# Altium PCB Driver.PcbDoc
Units mm, origin at the board's own origin, x right, y up, seen from the top; angles counter-clockwise.
Board outline 43 x 32 mm, 4 copper layers (Top Layer, GND, POWER, Bottom Layer), stack 0.603 mm thick; 93 components, 58 nets, 284 pads, 158 vias.
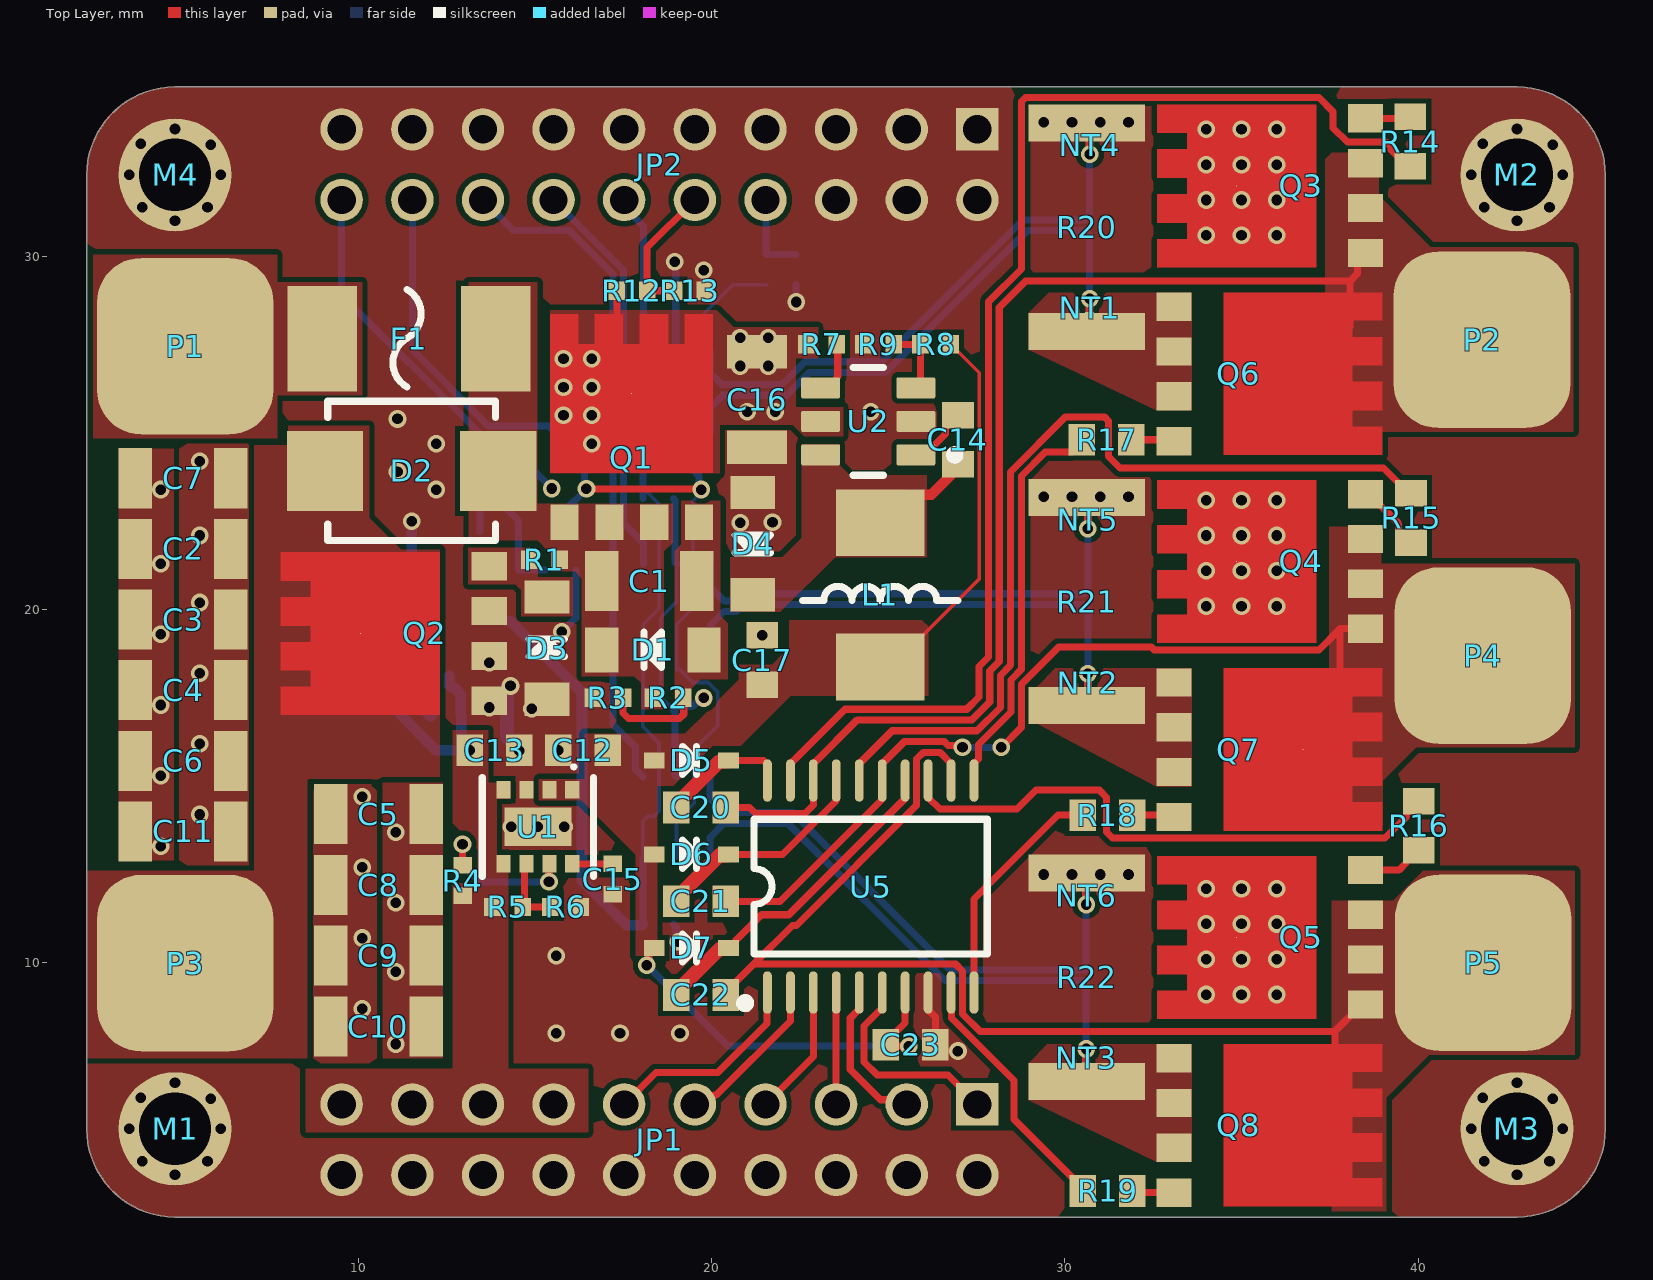
[diagram p0: Top Layer view]
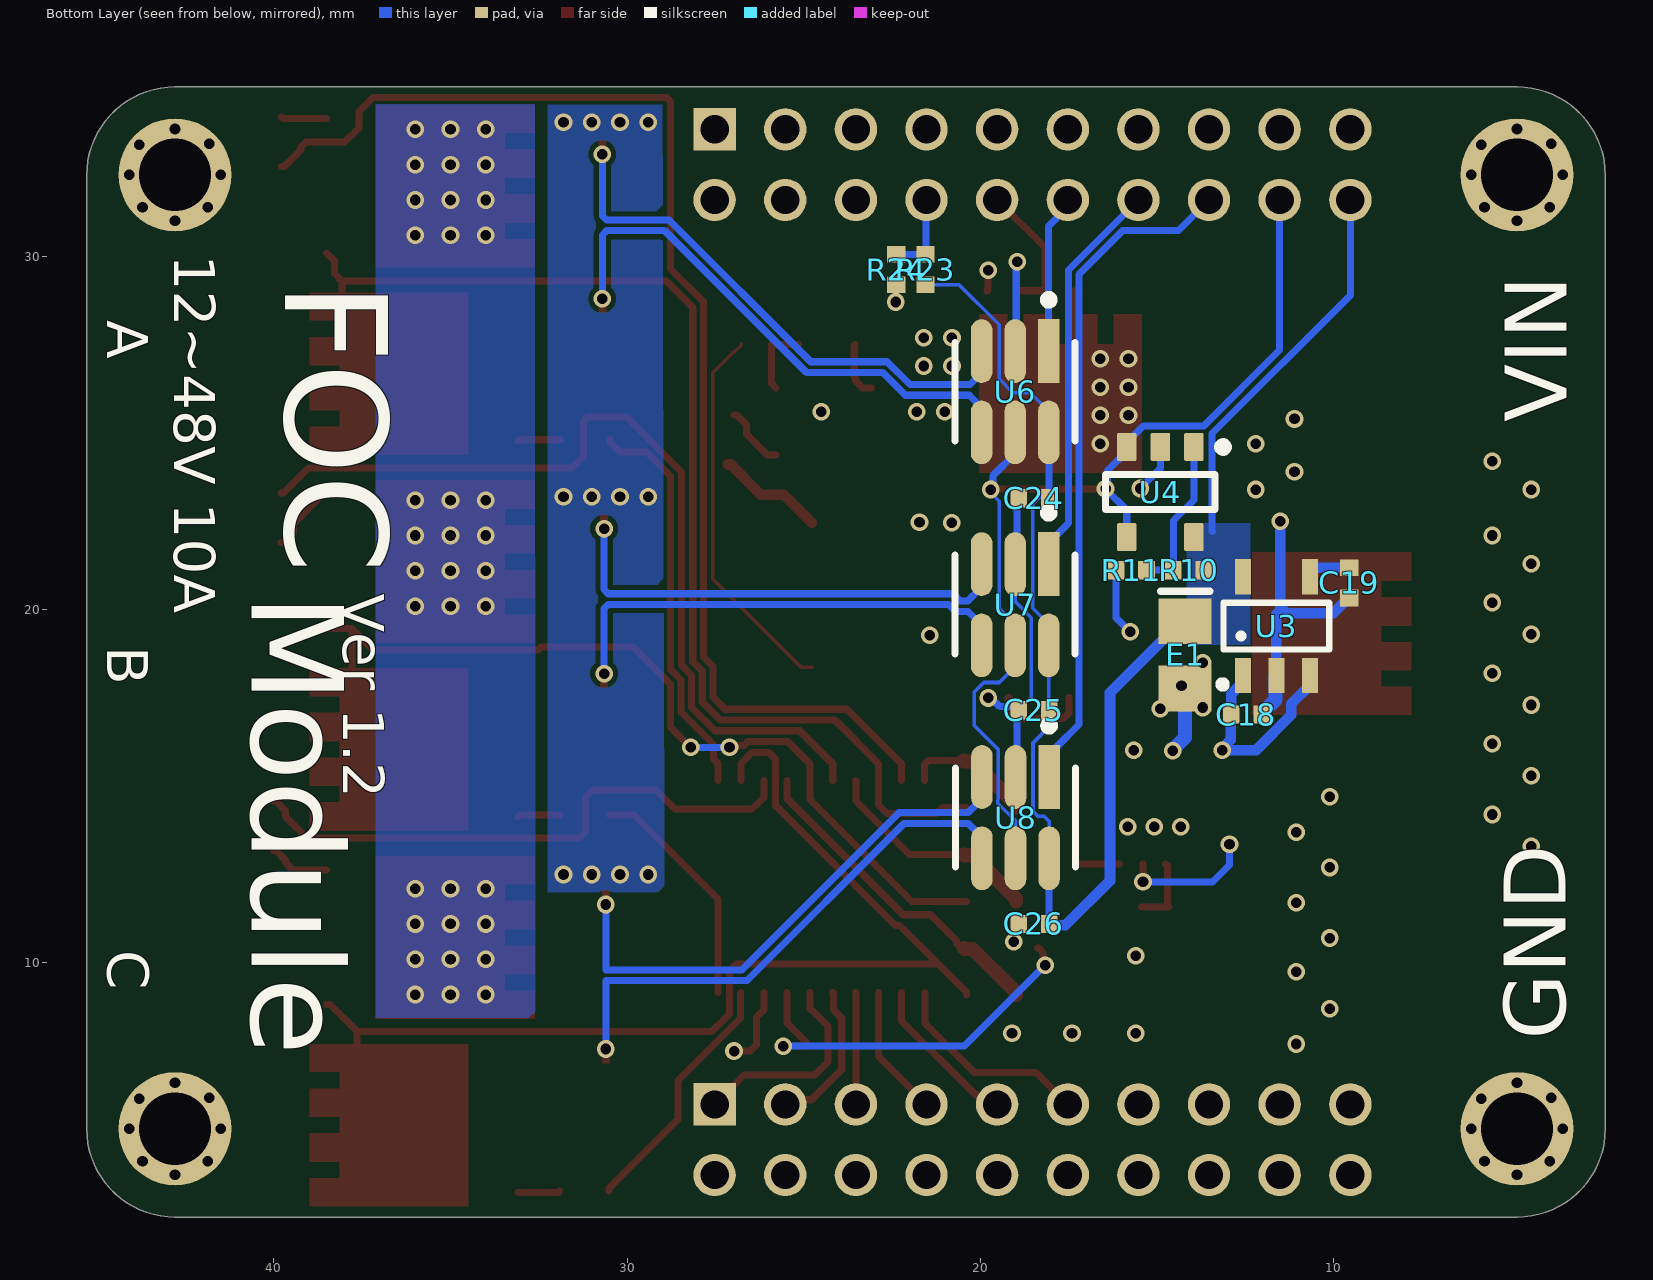
[diagram p1: Bottom Layer view, seen from below]
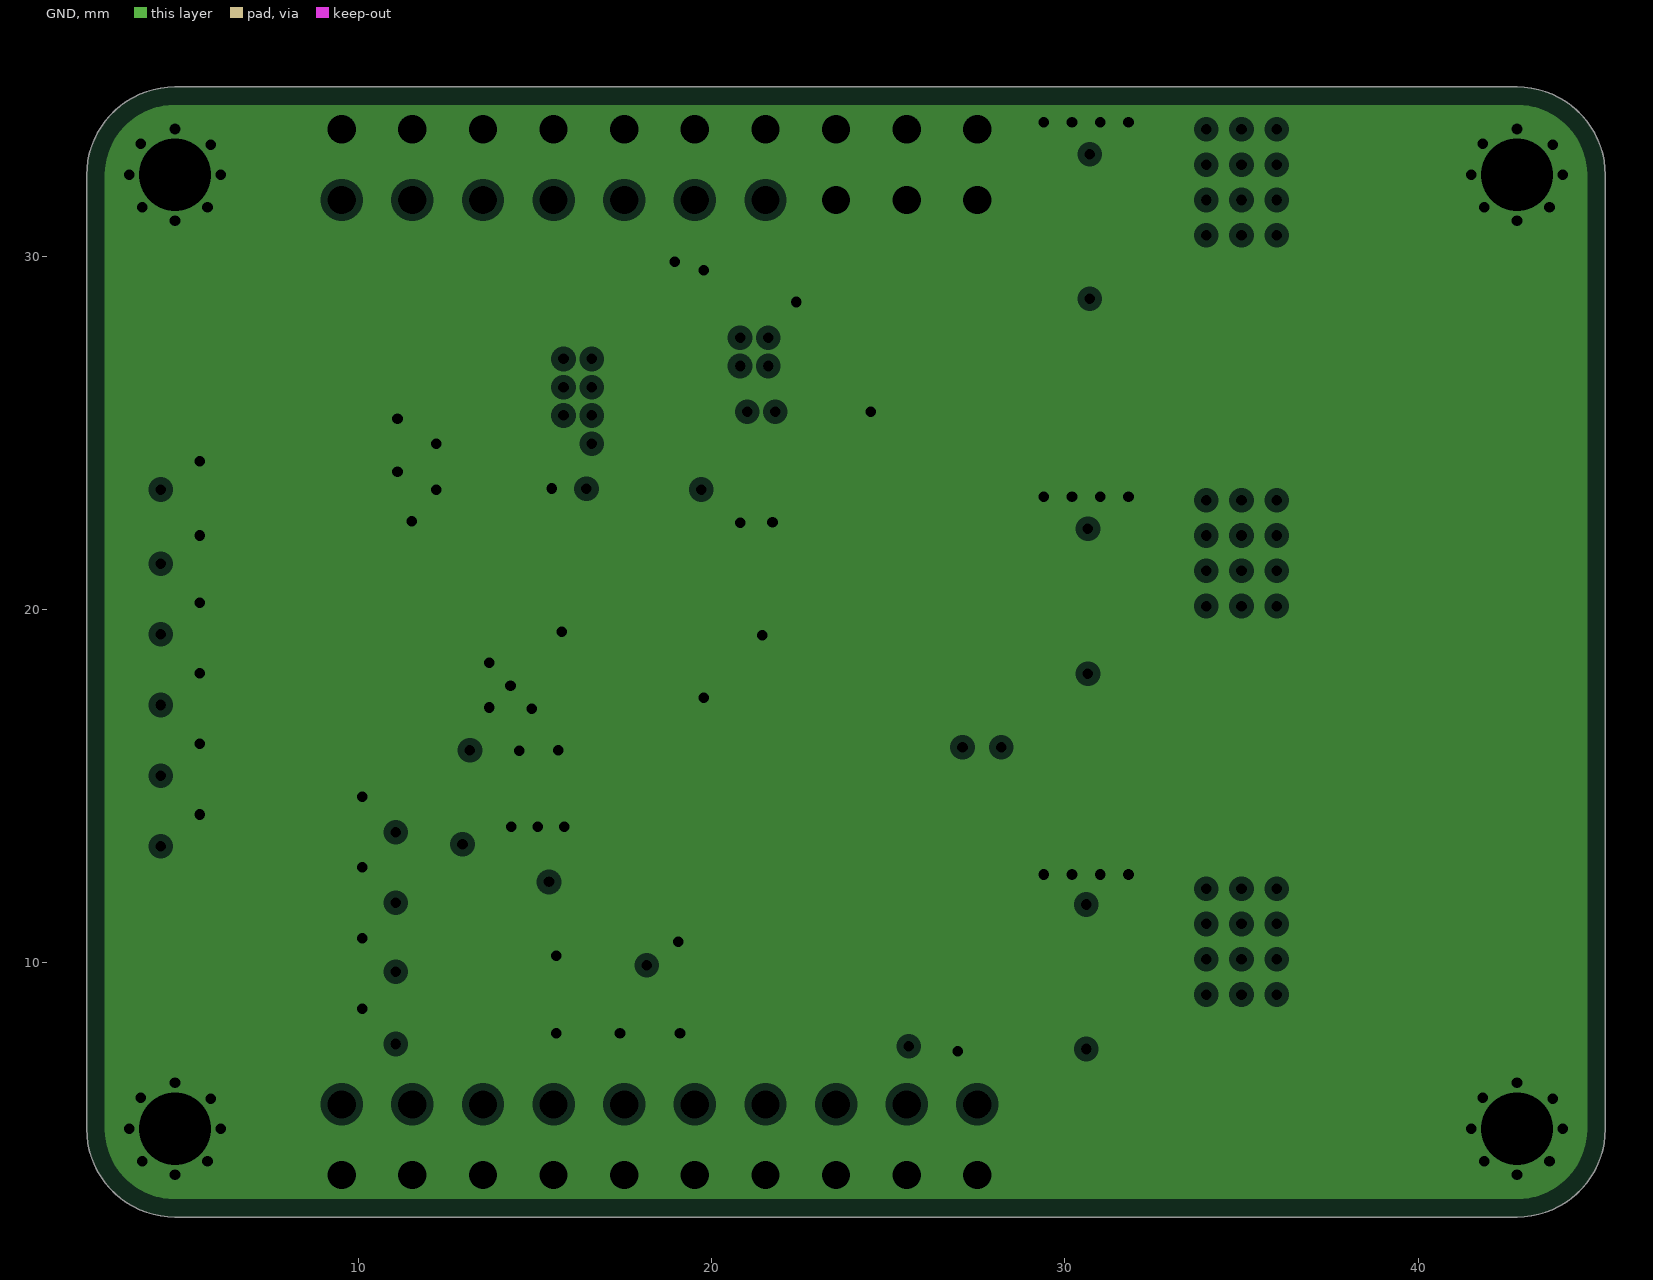
[diagram p2: GND, clearances drawn from the general rule]
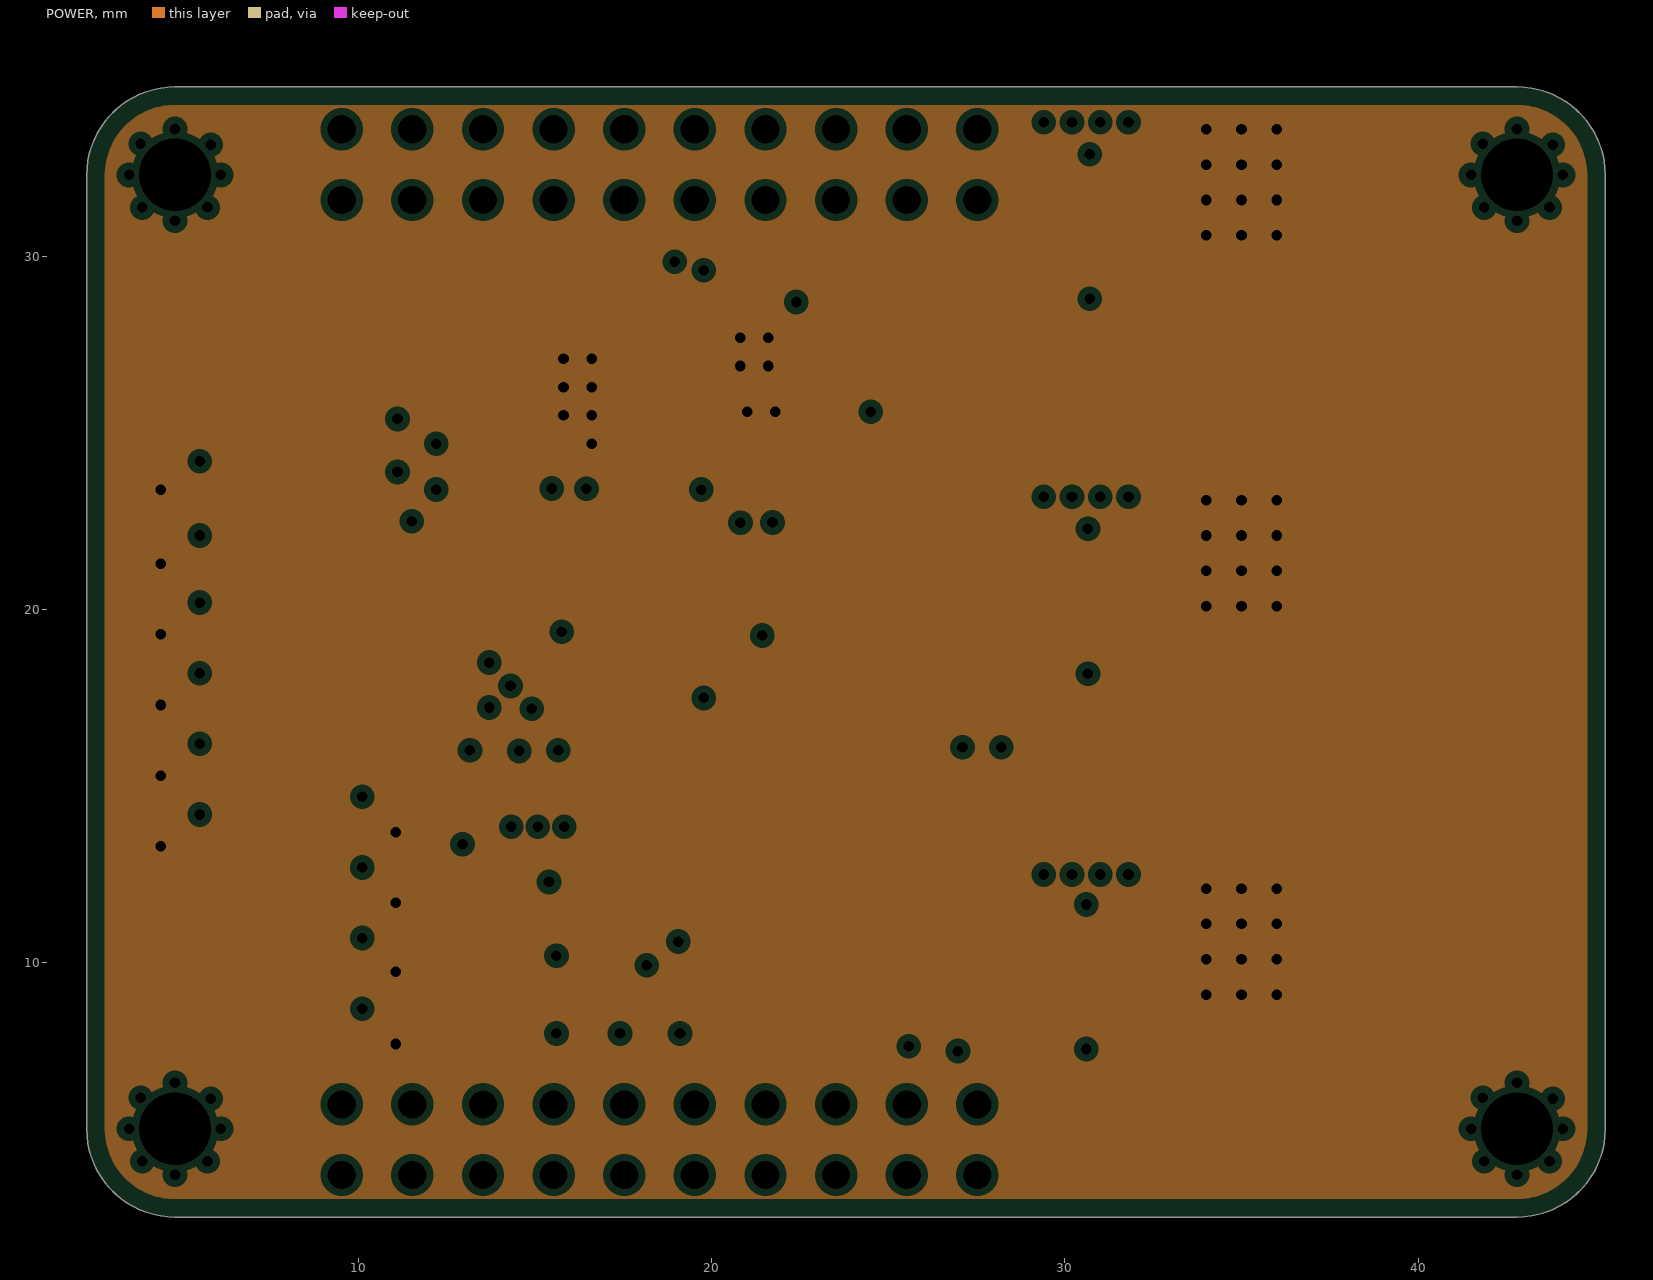
[diagram p3: POWER, clearances drawn from the general rule]
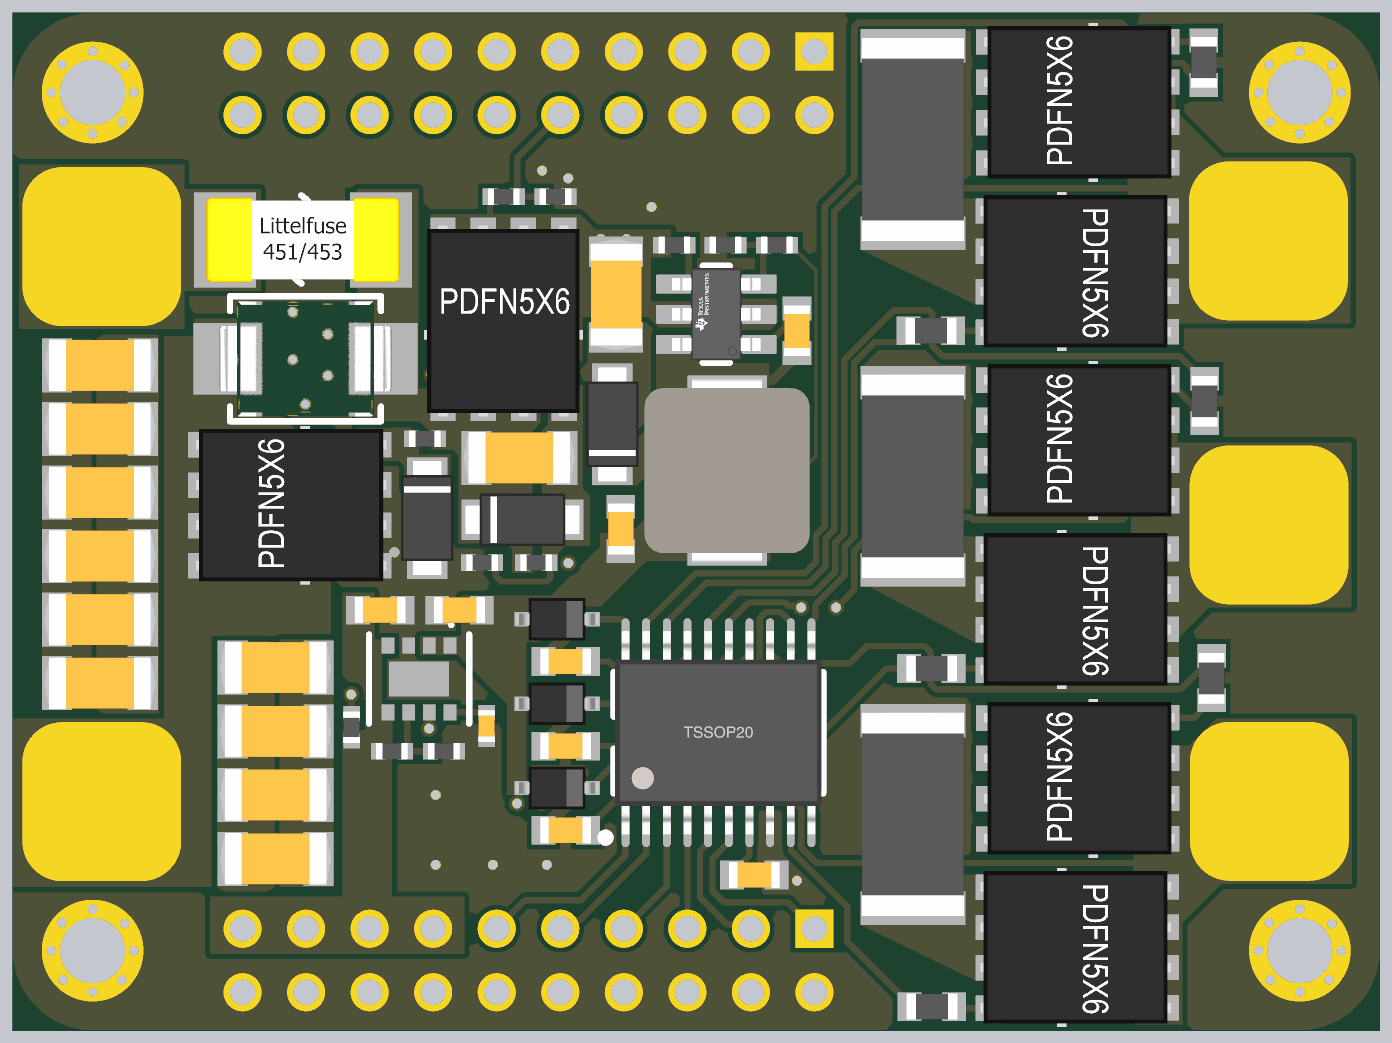
[diagram p4: 3D render of the assembled board from above, using the file's embedded part models]
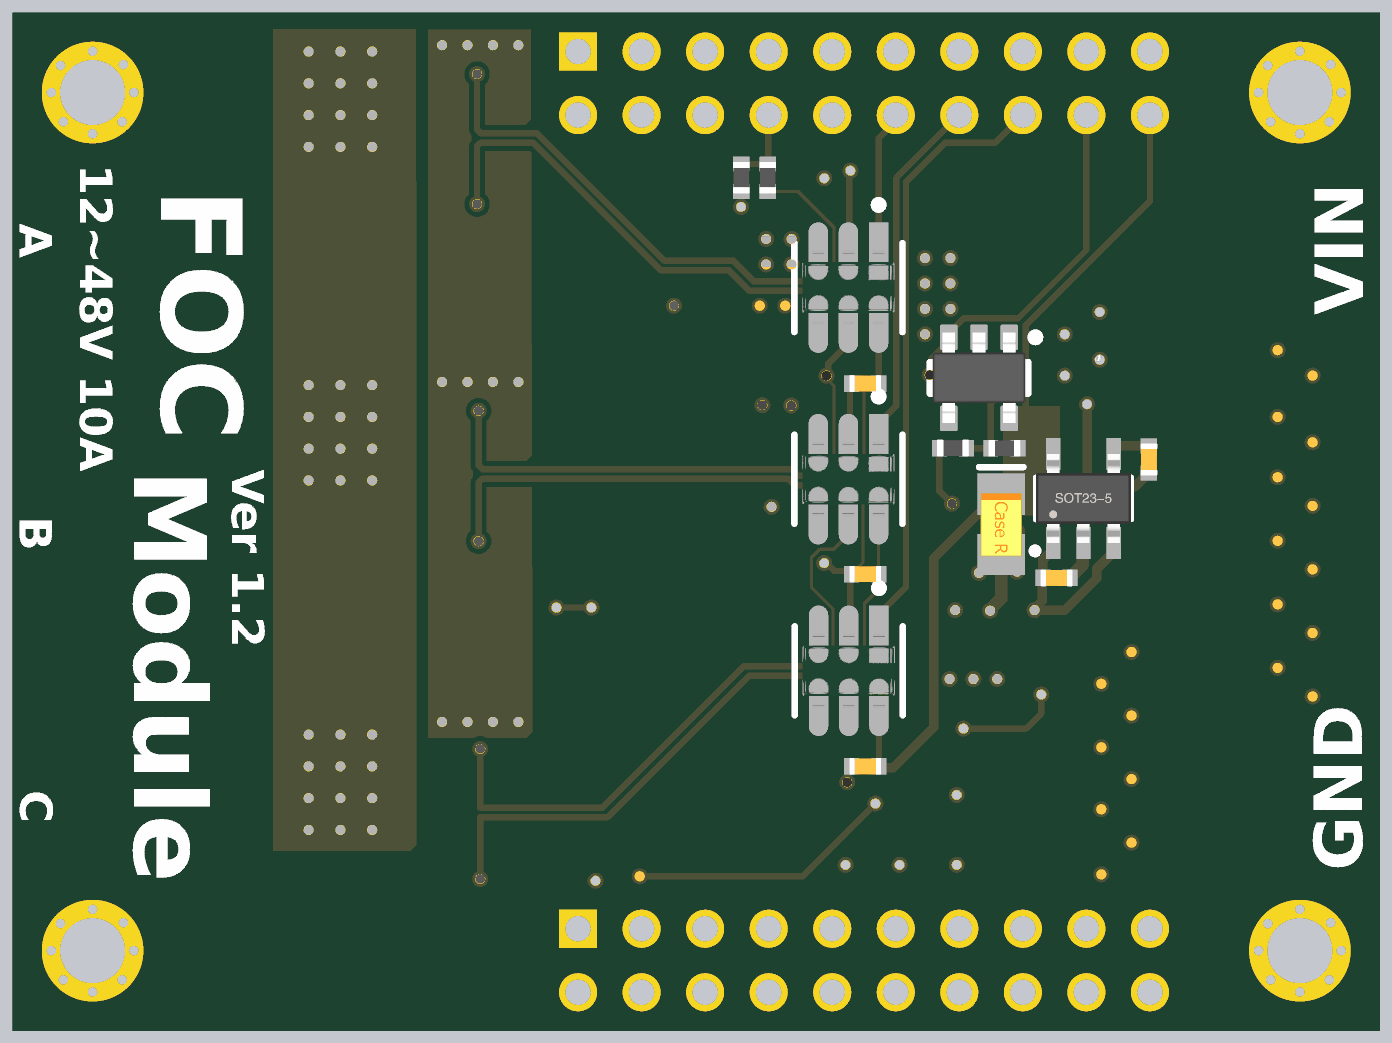
[diagram p5: 3D render of the assembled board from below, using the file's embedded part models]

## Layer stack, top to bottom
Top Solder: solder mask 0.0102, Solder Resist, Dk 3.5
Top Layer: signal copper 0.0356
Dielectric 2: prepreg 0.0711, PP-006, Dk 4.1
GND: plane copper 0.035, net PGND
Dielectric 1: dielectric 0.32, FR-4, Dk 4.8
POWER: plane copper 0.035, net VIN_LINK
Dielectric 3: prepreg 0.0711, PP-006, Dk 4.1
Bottom Layer: signal copper 0.0356
Bottom Solder: solder mask 0.0102, Solder Resist, Dk 3.5

## Board outline
2.3,5.3 ccw(c4.8,5.3) 4.8,2.8 42.8,2.8 ccw(c42.8,5.3) 45.3,5.3 45.3,32.3 ccw(c42.8,32.3) 42.8,34.8 4.8,34.8 ccw(c4.8,32.3) 2.3,32.3 2.3,32.31

## Design rules (kind name [scope] priority, off if disabled: settings)
Clearance [All] p1: gap=0.1 ignorepadtopadclearanceinfootprint=FALSE except(0.15: Arc-Fill Arc-Poly Arc-Region Track-Fill Track-Poly Track-Region SMDPad-Fill SMDPad-Poly SMDPad-Region THPad-Fill THPad-Poly THPad-Region Via-Fill Via-Poly Via-Region Fill-Fill Fill-Poly Fill-Region Poly-Poly Poly-Region Region-Region)
DiffPairsRouting [All] p1: maxlimit=0.5 minlimit=0.1 mostfreqgap=0.254 toplayer_minwidth=0.1 toplayer_maxwidth=0.5 toplayer_prefwidth=0.254 bottomlayer_minwidth=0.1 bottomlayer_maxwidth=0.5 bottomlayer_prefwidth=0.254 maxuncoupledlength=12.7
HoleSize [All] p1: absolutevalues=TRUE maxlimit=6.3 minlimit=0.3 maxpercent=80.000 minpercent=20.000
HoleToHoleClearance [All] p1: gap=0.1 allowstackedmicrovias=TRUE
MinimumSolderMaskSliver [All] p1: minsoldermaskwidth=0.13
PlaneClearance [All] p1: clearance=0.2
PlaneConnect [All] p1: planeconnectstyle=Direct reliefexpansion=0.508 reliefentries=4 reliefconductorwidth=0.254 reliefairgap=0.254
PolygonConnect [All] p1: connectstyle=Direct reliefconductorwidth=0.254 reliefentries=4 polygonreliefangle="90 Angle" airgapwidth=0.254
RoutingVias [All] p1: holewidth=0.3 width=0.5 viastyle="Through Hole" minholewidth=0.2 minwidth=0.4 maxholewidth=5 maxwidth=10
SilkToSilkClearance [All] p1: silktosilkclearance=0
SilkToSolderMaskClearance [IsPad] p1: minsilkscreentomaskgap=0 clearancetoexposedcopper=TRUE
SolderMaskExpansion [All] p1: expansion=0 istentingtop=FALSE
UnRoutedNet [All] p1: checkbadconnections=TRUE
Width [All] p1: maxlimit=10 minlimit=0.1 preferedwidth=0.2
21 further rules are at their usual default settings.

## Classes and differential pairs
component class Power: C1 C2 C3 C4 C5 C6 C7 C8 C9 C10 C11 C12 C13 C14 C15 C16 C17 C18 C19 D1 D2 D3 D4 E1 F1 L1 Q1 Q2 R1 R2 R3 R4 R5 R6 R7 R8 R9 R10 R11 R12 R13 U1 U2 U3 U4
component class Interface: JP1 JP2 M1 M2 M3 M4 P1 P2 P3 P4 P5
component class Driver: C20 C21 C22 C23 C24 C25 C26 D5 D6 D7 NT1 NT2 NT3 NT4 NT5 NT6 Q3 Q4 Q5 Q6 Q7 Q8 R14 R15 R16 R17 R18 R19 R20 R21 R22 R23 R24 U5 U6 U7 U8

## Components (designator, comment, footprint, x,y, rotation, side; value= is the part's Value field where it differs from the comment)
C1 "10uF/100V" CAPACITOR_1206_SMD 19.58,20.81 r180 top
C2 "10uF/100V" CAPACITOR_1206_SMD 6.38,21.72 r180 top
C3 "10uF/100V" CAPACITOR_1206_SMD 6.38,19.72 r180 top
C4 "10uF/100V" CAPACITOR_1206_SMD 6.38,17.72 r180 top
C5 "10uF/100V" CAPACITOR_1206_SMD 9.21,14.21 r0 top
C6 "10uF/100V" CAPACITOR_1206_SMD 6.38,15.72 r180 top
C7 "10uF/100V" CAPACITOR_1206_SMD 6.38,23.72 r180 top
C8 "10uF/100V" CAPACITOR_1206_SMD 9.21,12.2 r0 top
C9 "10uF/100V" CAPACITOR_1206_SMD 9.21,10.2 r0 top
C10 "10uF/100V" CAPACITOR_1206_SMD 9.21,8.19 r0 top
C11 "10uF/100V" CAPACITOR_1206_SMD 6.38,13.72 r180 top
C12 "10uF/25V" CAPACITOR_0603_SMD 17.05,16.02 r180 top
C13 "22uF/10V" CAPACITOR_0603_SMD 14.55,16.02 r180 top
C14 "100nF/100V" CAPACITOR_0603_SMD 26.97,25.51 r270 top
C15 "3.3nF" CAPACITOR_0402_SMD 17.2,11.94 r90 top
C16 "2.2uF/100V" CAPACITOR_1206_SMD 21.28,27.3 r270 top
C17 "10uF/25V" CAPACITOR_0603_SMD 21.43,17.87 r90 top
C18 "1uF/10V" CAPACITOR_0402_SMD 12.03,17.03 r0 bottom
C19 "100nF/50V" CAPACITOR_0402_SMD 9.55,20.33 r90 bottom
C20 "10uF/25V" CAPACITOR_0603_SMD 20.39,14.4 r180 top
C21 "10uF/25V" CAPACITOR_0603_SMD 20.39,11.74 r180 top
C22 "10uF/25V" CAPACITOR_0603_SMD 20.39,9.09 r180 top
C23 "10uF/25V" Capacitor_0603_SMD 26.33,7.68 r180 top
C24 "100nF/50V" CAPACITOR_0402_SMD 18.91,23.15 r180 bottom
C25 "100nF/50V" CAPACITOR_0402_SMD 18.91,17.15 r180 bottom
C26 "100nF/50V" CAPACITOR_0402_SMD 18.91,11.1 r180 bottom
D1 "BZT52-C10J" SOD-123FL 19.78,18.86 r180 top
D2 "SMBJ60CA" FP-SMBJ-CA-MFG 11.5,23.93 r0 top
D3 "BZT52-C10J" SOD-123FL 15.33,17.464 r90 top
D4 "DSK110" SOD-123FL 21.16,23.316 r270 top
D5 "B16WS" SOD-323 18.37,15.73 r0 top
D6 "B16WS" SOD-323 18.37,13.07 r0 top
D7 "B16WS" SOD-323 18.37,10.42 r0 top
E1 "10uF/6.3V" TANTALUM_CAPACITOR_0805_SMD 14.2,19.67 r270 bottom
F1 "20A" "FU 1808" 8.97,27.67 r0 top
JP1 "Header 2X10" HDR2.0-LI-2X10P 27.52,5.99 r180 top
JP2 "Header 2X10" HDR2.0-LI-2X10P 27.52,33.6 r180 top
L1 "47uH" MOLDED_INDUCTOR_0530 24.77,22.46 r270 top
M1 "M2 Hole" "M2 HOLE" 4.8,5.3 r0 top
M2 "M2 Hole" "M2 HOLE" 42.8,32.31 r0 top
M3 "M2 Hole" "M2 HOLE" 42.8,5.3 r0 top
M4 "M2 Hole" "M2 HOLE" 4.8,32.31 r0 top
NT1 "Net Tie" "NET TIE 10MIL" 30.7,28.808 r270 top net-tie
NT2 "Net Tie" "NET TIE 10MIL" 30.65,18.188 r270 top net-tie
NT3 "Net Tie" "NET TIE 10MIL" 30.6,7.558 r270 top net-tie
NT4 "Net Tie" "NET TIE 10MIL" 30.7,32.892 r90 top net-tie
NT5 "Net Tie" "NET TIE 10MIL" 30.65,22.292 r90 top net-tie
NT6 "Net Tie" "NET TIE 10MIL" 30.6,11.65 r90 top net-tie
P1 "SolderPad" SOLDERPAD 5.09,27.46 r0 top
P2 "SolderPad" SOLDERPAD 41.81,27.64 r0 top
P3 "SolderPad" SOLDERPAD 5.09,9.99 r0 top
P4 "SolderPad" SOLDERPAD 41.83,18.7 r0 top
P5 "SolderPad" SOLDERPAD 41.84,10 r0 top
Q1 "CJAC70P06" PDFNWB5×6-8L 15.83,22.47 r0 top
Q2 "CJAC110SN10A" PDFNWB5×6-8L 13.7,17.42 r90 top
Q3 "CJAC110SN10A" PDFNWB5×6-8L 38.51,30.101 r90 top
Q4 "CJAC110SN10A" PDFNWB5×6-8L 38.51,19.46 r90 top
Q5 "CJAC110SN10A" PDFNWB5×6-8L 38.51,8.82 r90 top